# EAGLE board AU_MacroPad - 8 Panel (EAGLE 9.6.2), part 1 of 5 (continued)
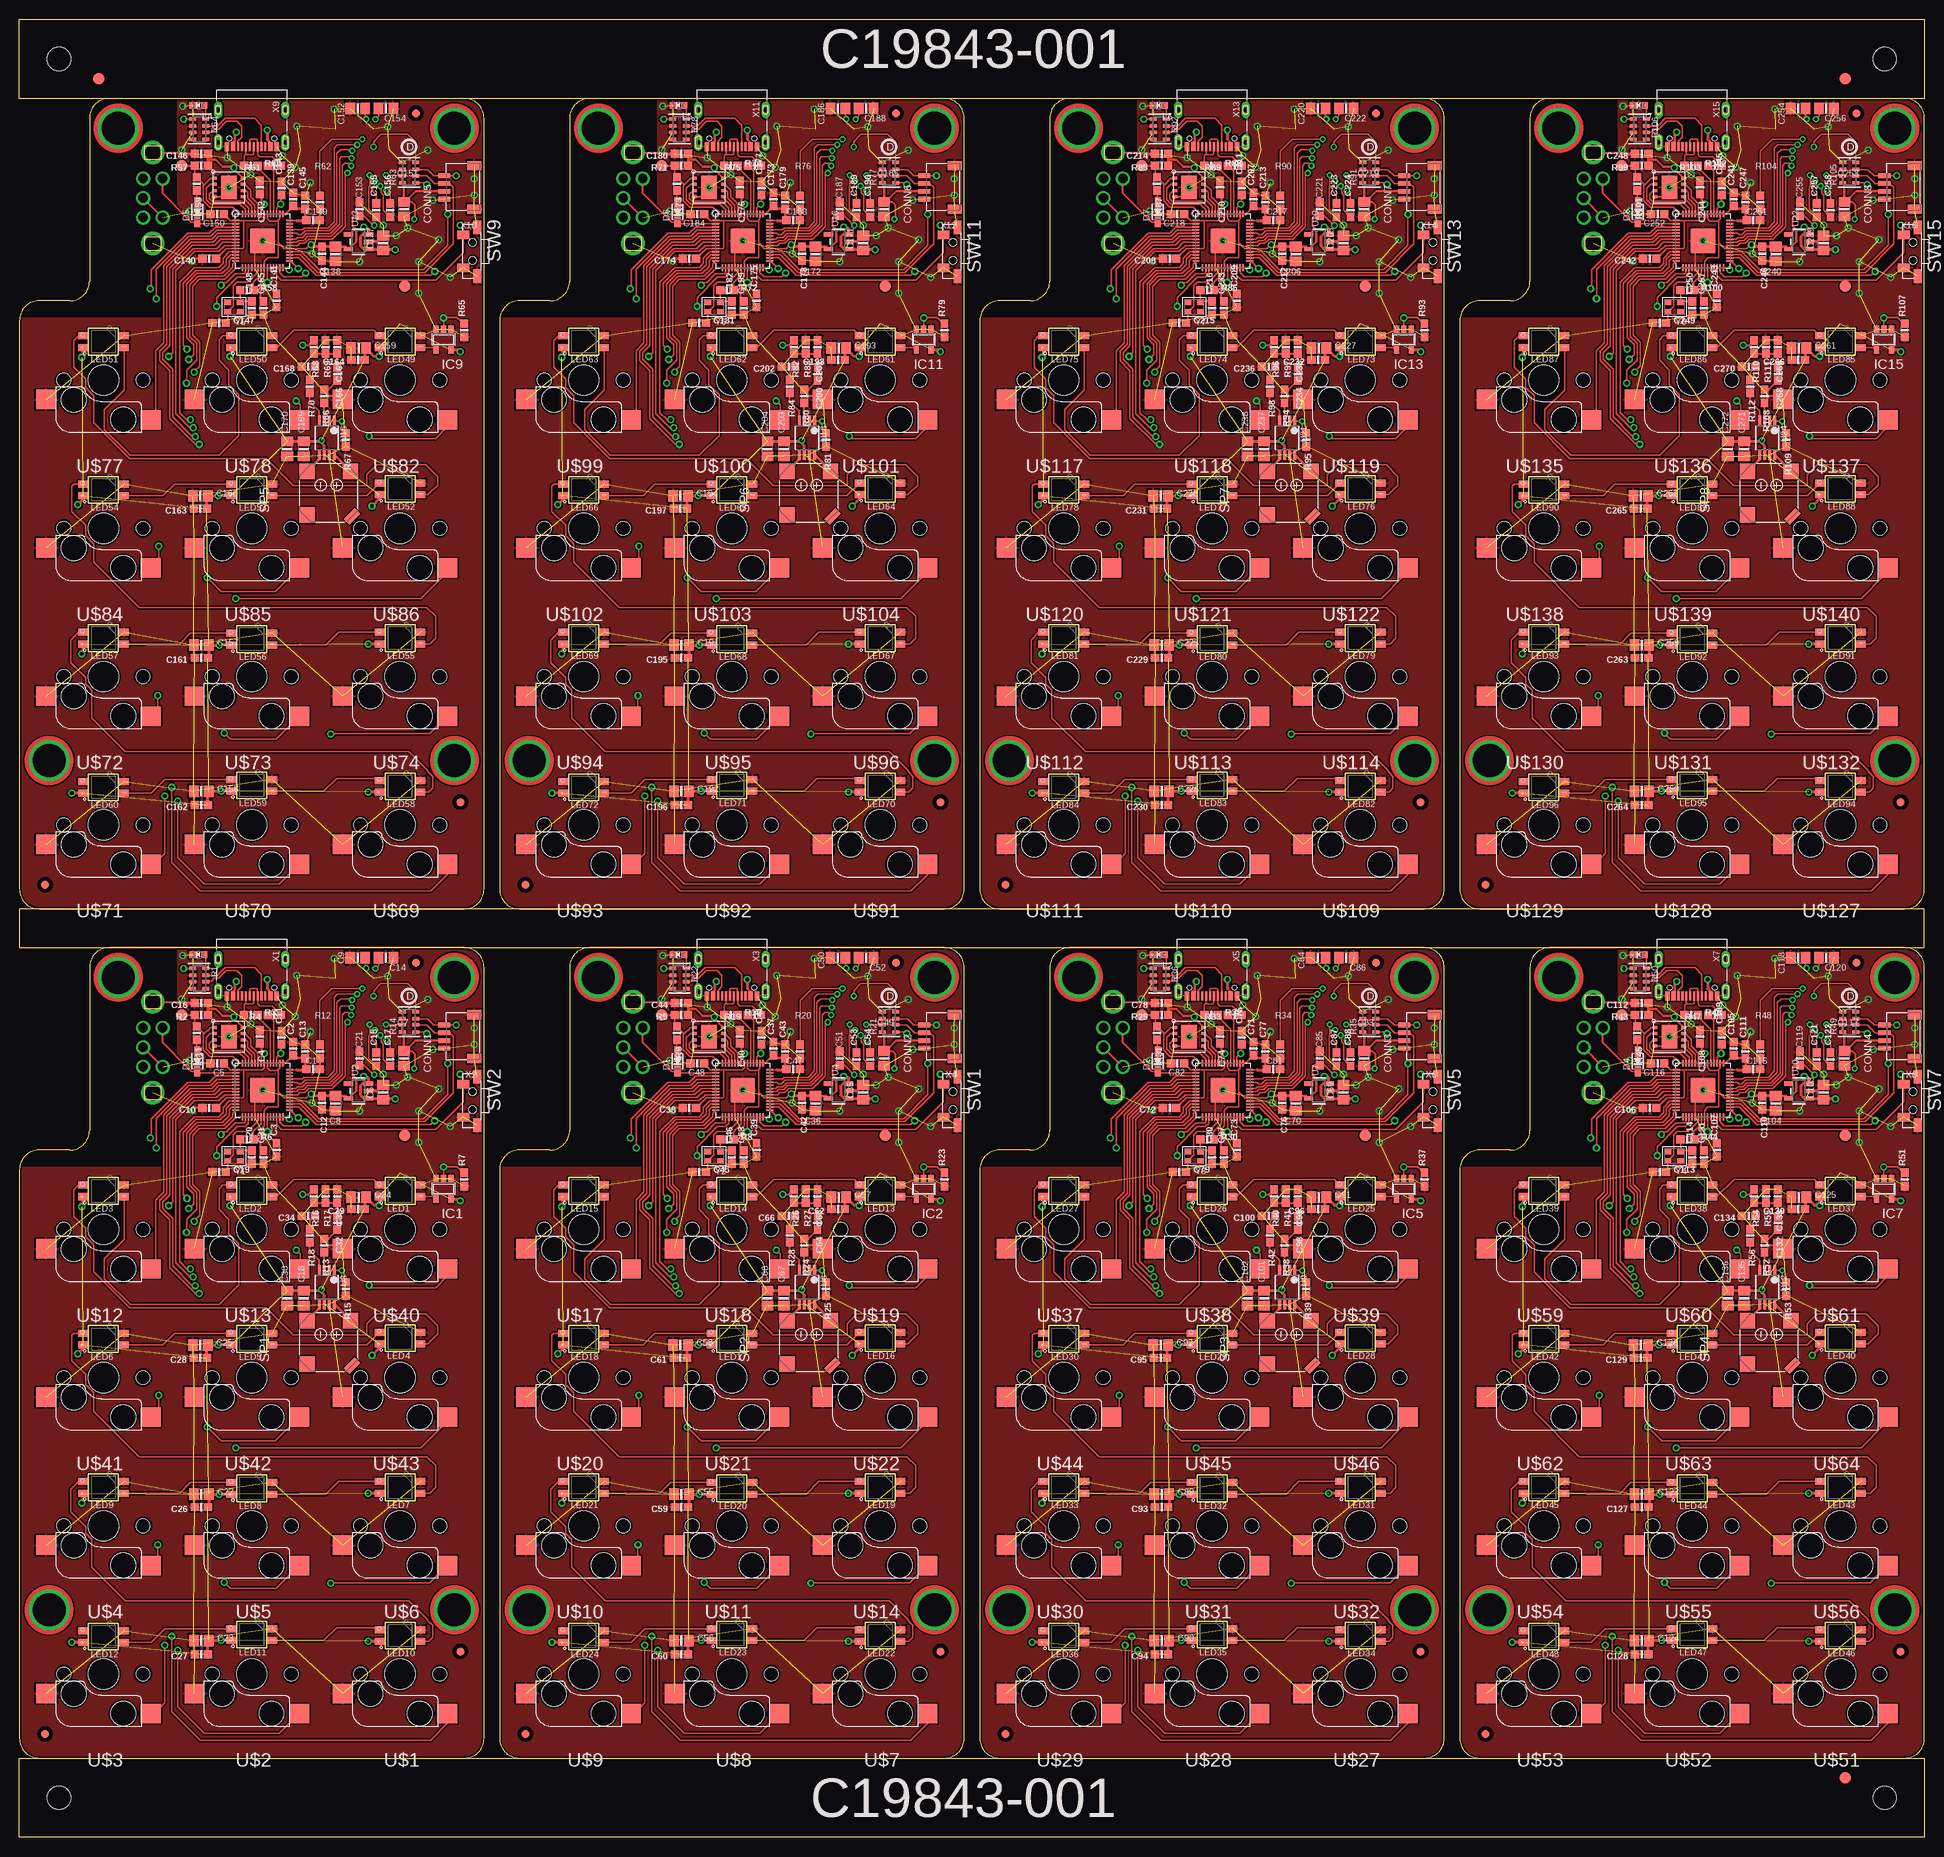
[diagram p0: board, top side]
## Placement (x,y rotation side) (continued)
C270  0.1uF  [0603-NO]  222.19,188.98 180 top
C271  10uF  [0805-NO]  221.6,178.41 90 top
C272  10uF  [0805-NO]  219.48,178.41 90 top
CONN1  STEMMA_I2C_QT  [JST_SH4]  56.56,102.87 90 top
CONN2  STEMMA_I2C_QT  [JST_SH4]  118.25,102.87 90 top
CONN3  STEMMA_I2C_QT  [JST_SH4]  179.94,102.87 90 top
CONN4  STEMMA_I2C_QT  [JST_SH4]  241.63,102.87 90 top
CONN5  STEMMA_I2C_QT  [JST_SH4]  56.56,212.01 90 top
CONN6  STEMMA_I2C_QT  [JST_SH4]  118.25,212.01 90 top
CONN7  STEMMA_I2C_QT  [JST_SH4]  179.94,212.01 90 top
CONN8  STEMMA_I2C_QT  [JST_SH4]  241.63,212.01 90 top
D1  1N4148  [SOD-323]  84.55,99.69 90 top
D2  1N4148  [SOD-323]  146.24,99.69 90 top
D3  1N4148  [SOD-323]  22.86,99.69 90 top
D4  1N4148  [SOD-323]  207.93,99.69 90 top
D5  1N4148  [SOD-323]  22.86,208.84 90 top
D6  1N4148  [SOD-323]  84.55,208.84 90 top
D7  1N4148  [SOD-323]  146.24,208.84 90 top
D8  1N4148  [SOD-323]  207.93,208.84 90 top
FID1000  FIDUCIAL  [FIDUCIAL-1.5X3]  10.16,225.98 0 top
FID1001  FIDUCIAL  [FIDUCIAL-1.5X3]  10.16,225.98 0 bottom
FID1002  FIDUCIAL  [FIDUCIAL-1.5X3]  234.6,225.98 0 top
FID1003  FIDUCIAL  [FIDUCIAL-1.5X3]  234.6,225.98 0 bottom
FID1004  FIDUCIAL  [FIDUCIAL-1.5X3]  234.6,7.62 0 top
FID1005  FIDUCIAL  [FIDUCIAL-1.5X3]  234.6,7.62 0 bottom
IC1  74HCT1G125DBV  [SOT23-5]  54.48,83.31 180 top
IC2  74HCT1G125DBV  [SOT23-5]  116.17,83.31 180 top
IC3  RP2040_QFN56  [QFN56_7MM_REDUCEDEPAD]  31.24,96.01 0 top
IC4  RP2040_QFN56  [QFN56_7MM_REDUCEDEPAD]  92.93,96.01 0 top
IC5  74HCT1G125DBV  [SOT23-5]  177.86,83.31 180 top
IC6  RP2040_QFN56  [QFN56_7MM_REDUCEDEPAD]  154.62,96.01 0 top
IC7  74HCT1G125DBV  [SOT23-5]  239.55,83.31 180 top
IC8  RP2040_QFN56  [QFN56_7MM_REDUCEDEPAD]  216.31,96.01 0 top
IC9  74HCT1G125DBV  [SOT23-5]  54.48,192.45 180 top
IC10  RP2040_QFN56  [QFN56_7MM_REDUCEDEPAD]  31.24,205.15 0 top
IC11  74HCT1G125DBV  [SOT23-5]  116.17,192.45 180 top
IC12  RP2040_QFN56  [QFN56_7MM_REDUCEDEPAD]  92.93,205.15 0 top
IC13  74HCT1G125DBV  [SOT23-5]  177.86,192.45 180 top
IC14  RP2040_QFN56  [QFN56_7MM_REDUCEDEPAD]  154.62,205.15 0 top
IC15  74HCT1G125DBV  [SOT23-5]  239.55,192.45 180 top
IC16  RP2040_QFN56  [QFN56_7MM_REDUCEDEPAD]  216.31,205.15 0 top
L  RED  [CHIPLED_0603_NOOUTLINE]  22.99,113.41 90 top
L1  RED  [CHIPLED_0603_NOOUTLINE]  84.68,113.41 90 top
L2  RED  [CHIPLED_0603_NOOUTLINE]  146.37,113.41 90 top
L3  RED  [CHIPLED_0603_NOOUTLINE]  208.06,113.41 90 top
L4  RED  [CHIPLED_0603_NOOUTLINE]  22.99,222.55 90 top
L5  RED  [CHIPLED_0603_NOOUTLINE]  84.68,222.55 90 top
L6  RED  [CHIPLED_0603_NOOUTLINE]  146.37,222.55 90 top
L7  RED  [CHIPLED_0603_NOOUTLINE]  208.06,222.55 90 top
LED1  WS2812B_SK6812E  [NEO3535_REVERSE]  48.9,83.06 0 bottom
LED2  WS2812B_SK6812E  [NEO3535_REVERSE]  29.84,83.06 0 bottom
LED3  WS2812B_SK6812E  [NEO3535_REVERSE]  10.79,83.06 0 bottom
LED4  WS2812B_SK6812E  [NEO3535_REVERSE]  48.9,64.14 0 bottom
LED5  WS2812B_SK6812E  [NEO3535_REVERSE]  29.84,64.01 0 bottom
LED6  WS2812B_SK6812E  [NEO3535_REVERSE]  10.79,64.01 0 bottom
LED7  WS2812B_SK6812E  [NEO3535_REVERSE]  48.9,44.96 0 bottom
LED8  WS2812B_SK6812E  [NEO3535_REVERSE]  29.84,44.83 0 bottom
LED9  WS2812B_SK6812E  [NEO3535_REVERSE]  10.79,44.96 0 bottom
LED10  WS2812B_SK6812E  [NEO3535_REVERSE]  48.9,25.91 0 bottom
LED11  WS2812B_SK6812E  [NEO3535_REVERSE]  29.84,26.04 0 bottom
LED12  WS2812B_SK6812E  [NEO3535_REVERSE]  10.79,25.78 0 bottom
LED13  WS2812B_SK6812E  [NEO3535_REVERSE]  110.58,83.06 0 bottom
LED14  WS2812B_SK6812E  [NEO3535_REVERSE]  91.53,83.06 0 bottom
LED15  WS2812B_SK6812E  [NEO3535_REVERSE]  72.48,83.06 0 bottom
LED16  WS2812B_SK6812E  [NEO3535_REVERSE]  110.58,64.14 0 bottom
LED17  WS2812B_SK6812E  [NEO3535_REVERSE]  91.53,64.01 0 bottom
LED18  WS2812B_SK6812E  [NEO3535_REVERSE]  72.48,64.01 0 bottom
LED19  WS2812B_SK6812E  [NEO3535_REVERSE]  110.58,44.96 0 bottom
LED20  WS2812B_SK6812E  [NEO3535_REVERSE]  91.53,44.83 0 bottom
LED21  WS2812B_SK6812E  [NEO3535_REVERSE]  72.48,44.96 0 bottom
LED22  WS2812B_SK6812E  [NEO3535_REVERSE]  110.58,25.91 0 bottom
LED23  WS2812B_SK6812E  [NEO3535_REVERSE]  91.53,26.04 0 bottom
LED24  WS2812B_SK6812E  [NEO3535_REVERSE]  72.48,25.78 0 bottom
LED25  WS2812B_SK6812E  [NEO3535_REVERSE]  172.28,83.06 0 bottom
LED26  WS2812B_SK6812E  [NEO3535_REVERSE]  153.23,83.06 0 bottom
LED27  WS2812B_SK6812E  [NEO3535_REVERSE]  134.18,83.06 0 bottom
LED28  WS2812B_SK6812E  [NEO3535_REVERSE]  172.28,64.14 0 bottom
LED29  WS2812B_SK6812E  [NEO3535_REVERSE]  153.23,64.01 0 bottom
LED30  WS2812B_SK6812E  [NEO3535_REVERSE]  134.18,64.01 0 bottom
LED31  WS2812B_SK6812E  [NEO3535_REVERSE]  172.28,44.96 0 bottom
LED32  WS2812B_SK6812E  [NEO3535_REVERSE]  153.23,44.83 0 bottom
LED33  WS2812B_SK6812E  [NEO3535_REVERSE]  134.18,44.96 0 bottom
LED34  WS2812B_SK6812E  [NEO3535_REVERSE]  172.28,25.91 0 bottom
LED35  WS2812B_SK6812E  [NEO3535_REVERSE]  153.23,26.04 0 bottom
LED36  WS2812B_SK6812E  [NEO3535_REVERSE]  134.18,25.78 0 bottom
LED37  WS2812B_SK6812E  [NEO3535_REVERSE]  233.96,83.06 0 bottom
LED38  WS2812B_SK6812E  [NEO3535_REVERSE]  214.91,83.06 0 bottom
LED39  WS2812B_SK6812E  [NEO3535_REVERSE]  195.86,83.06 0 bottom
LED40  WS2812B_SK6812E  [NEO3535_REVERSE]  233.96,64.14 0 bottom
LED41  WS2812B_SK6812E  [NEO3535_REVERSE]  214.91,64.01 0 bottom
LED42  WS2812B_SK6812E  [NEO3535_REVERSE]  195.86,64.01 0 bottom
LED43  WS2812B_SK6812E  [NEO3535_REVERSE]  233.96,44.96 0 bottom
LED44  WS2812B_SK6812E  [NEO3535_REVERSE]  214.91,44.83 0 bottom
LED45  WS2812B_SK6812E  [NEO3535_REVERSE]  195.86,44.96 0 bottom
LED46  WS2812B_SK6812E  [NEO3535_REVERSE]  233.96,25.91 0 bottom
LED47  WS2812B_SK6812E  [NEO3535_REVERSE]  214.91,26.04 0 bottom
LED48  WS2812B_SK6812E  [NEO3535_REVERSE]  195.86,25.78 0 bottom
LED49  WS2812B_SK6812E  [NEO3535_REVERSE]  48.9,192.2 0 bottom
LED50  WS2812B_SK6812E  [NEO3535_REVERSE]  29.84,192.2 0 bottom
LED51  WS2812B_SK6812E  [NEO3535_REVERSE]  10.79,192.2 0 bottom
LED52  WS2812B_SK6812E  [NEO3535_REVERSE]  48.9,173.28 0 bottom
LED53  WS2812B_SK6812E  [NEO3535_REVERSE]  29.84,173.15 0 bottom
LED54  WS2812B_SK6812E  [NEO3535_REVERSE]  10.79,173.15 0 bottom
LED55  WS2812B_SK6812E  [NEO3535_REVERSE]  48.9,154.1 0 bottom
LED56  WS2812B_SK6812E  [NEO3535_REVERSE]  29.84,153.97 0 bottom
LED57  WS2812B_SK6812E  [NEO3535_REVERSE]  10.79,154.1 0 bottom
LED58  WS2812B_SK6812E  [NEO3535_REVERSE]  48.9,135.05 0 bottom
LED59  WS2812B_SK6812E  [NEO3535_REVERSE]  29.84,135.18 0 bottom
LED60  WS2812B_SK6812E  [NEO3535_REVERSE]  10.79,134.92 0 bottom
LED61  WS2812B_SK6812E  [NEO3535_REVERSE]  110.58,192.2 0 bottom
LED62  WS2812B_SK6812E  [NEO3535_REVERSE]  91.53,192.2 0 bottom
LED63  WS2812B_SK6812E  [NEO3535_REVERSE]  72.48,192.2 0 bottom
LED64  WS2812B_SK6812E  [NEO3535_REVERSE]  110.58,173.28 0 bottom
LED65  WS2812B_SK6812E  [NEO3535_REVERSE]  91.53,173.15 0 bottom
LED66  WS2812B_SK6812E  [NEO3535_REVERSE]  72.48,173.15 0 bottom
LED67  WS2812B_SK6812E  [NEO3535_REVERSE]  110.58,154.1 0 bottom
LED68  WS2812B_SK6812E  [NEO3535_REVERSE]  91.53,153.97 0 bottom
LED69  WS2812B_SK6812E  [NEO3535_REVERSE]  72.48,154.1 0 bottom
LED70  WS2812B_SK6812E  [NEO3535_REVERSE]  110.58,135.05 0 bottom
LED71  WS2812B_SK6812E  [NEO3535_REVERSE]  91.53,135.18 0 bottom
LED72  WS2812B_SK6812E  [NEO3535_REVERSE]  72.48,134.92 0 bottom
LED73  WS2812B_SK6812E  [NEO3535_REVERSE]  172.28,192.2 0 bottom
LED74  WS2812B_SK6812E  [NEO3535_REVERSE]  153.23,192.2 0 bottom
LED75  WS2812B_SK6812E  [NEO3535_REVERSE]  134.18,192.2 0 bottom
LED76  WS2812B_SK6812E  [NEO3535_REVERSE]  172.28,173.28 0 bottom
LED77  WS2812B_SK6812E  [NEO3535_REVERSE]  153.23,173.15 0 bottom
LED78  WS2812B_SK6812E  [NEO3535_REVERSE]  134.18,173.15 0 bottom
LED79  WS2812B_SK6812E  [NEO3535_REVERSE]  172.28,154.1 0 bottom
LED80  WS2812B_SK6812E  [NEO3535_REVERSE]  153.23,153.97 0 bottom
LED81  WS2812B_SK6812E  [NEO3535_REVERSE]  134.18,154.1 0 bottom
LED82  WS2812B_SK6812E  [NEO3535_REVERSE]  172.28,135.05 0 bottom
LED83  WS2812B_SK6812E  [NEO3535_REVERSE]  153.23,135.18 0 bottom
LED84  WS2812B_SK6812E  [NEO3535_REVERSE]  134.18,134.92 0 bottom
LED85  WS2812B_SK6812E  [NEO3535_REVERSE]  233.96,192.2 0 bottom
LED86  WS2812B_SK6812E  [NEO3535_REVERSE]  214.91,192.2 0 bottom
LED87  WS2812B_SK6812E  [NEO3535_REVERSE]  195.86,192.2 0 bottom
LED88  WS2812B_SK6812E  [NEO3535_REVERSE]  233.96,173.28 0 bottom
LED89  WS2812B_SK6812E  [NEO3535_REVERSE]  214.91,173.15 0 bottom
LED90  WS2812B_SK6812E  [NEO3535_REVERSE]  195.86,173.15 0 bottom
LED91  WS2812B_SK6812E  [NEO3535_REVERSE]  233.96,154.1 0 bottom
LED92  WS2812B_SK6812E  [NEO3535_REVERSE]  214.91,153.97 0 bottom
LED93  WS2812B_SK6812E  [NEO3535_REVERSE]  195.86,154.1 0 bottom
LED94  WS2812B_SK6812E  [NEO3535_REVERSE]  233.96,135.05 0 bottom
LED95  WS2812B_SK6812E  [NEO3535_REVERSE]  214.91,135.18 0 bottom
LED96  WS2812B_SK6812E  [NEO3535_REVERSE]  195.86,134.92 0 bottom
R1  5.1K  [RESPACK_4X0603]  23.11,110.36 270 top
R2  10K  [0603-NO]  23.37,105.66 180 top
R3  22  [0603-NO]  29.72,105.66 0 top
R4  22  [0603-NO]  32.77,105.66 180 top
R5  10K  [0603-NO]  85.06,105.66 180 top
R6  1K  [0603-NO]  29.21,89.66 0 top
R7  10K  [0603-NO]  57.15,84.52 90 top
R8  1K  [0603-NO]  90.9,89.66 0 top
R9  1K  [0603-NO]  84.47,103.34 270 top
R10  22  [0603-NO]  91.41,105.66 0 top
R11  1K  [0603-NO]  22.78,103.34 270 top
R12  680K  [0603-NO]  38.61,100.97 90 top
R13  47K  [0603-NO]  39.15,76.03 270 top
R14  5.1K  [RESPACK_4X0603]  50.04,104.77 90 top
R15  10K  [0603-NO]  41.94,70.45 270 top
R16  1K  [0603-NO]  37.8,82.37 270 top
R17  DNP  [0603-NO]  39.32,82.37 270 top
R18  47K  [0603-NO]  37.29,77.3 270 top
R19  22  [0603-NO]  94.45,105.66 180 top
R20  680K  [0603-NO]  100.3,100.97 90 top
R21  5.1K  [RESPACK_4X0603]  111.73,104.77 90 top
R22  5.1K  [RESPACK_4X0603]  84.8,110.36 270 top
R23  10K  [0603-NO]  118.84,84.52 90 top
R24  47K  [0603-NO]  100.84,76.03 270 top
R25  10K  [0603-NO]  103.63,70.45 270 top
R26  1K  [0603-NO]  99.49,82.37 270 top
R27  DNP  [0603-NO]  101.01,82.37 270 top
R28  47K  [0603-NO]  98.98,77.3 270 top
R29  10K  [0603-NO]  146.75,105.66 180 top
R30  1K  [0603-NO]  152.59,89.66 0 top
R31  1K  [0603-NO]  146.16,103.34 270 top
R32  22  [0603-NO]  153.1,105.66 0 top
R33  22  [0603-NO]  156.15,105.66 180 top
R34  680K  [0603-NO]  161.99,100.97 90 top
R35  5.1K  [RESPACK_4X0603]  173.42,104.77 90 top
R36  5.1K  [RESPACK_4X0603]  146.49,110.36 270 top
R37  10K  [0603-NO]  180.53,84.52 90 top
R38  47K  [0603-NO]  162.53,76.03 270 top
R39  10K  [0603-NO]  165.32,70.45 270 top
R40  1K  [0603-NO]  161.18,82.37 270 top
R41  DNP  [0603-NO]  162.7,82.37 270 top
R42  47K  [0603-NO]  160.67,77.3 270 top
R43  10K  [0603-NO]  208.44,105.66 180 top
R44  1K  [0603-NO]  214.28,89.66 0 top
R45  1K  [0603-NO]  207.85,103.34 270 top
R46  22  [0603-NO]  214.79,105.66 0 top
R47  22  [0603-NO]  217.84,105.66 180 top
R48  680K  [0603-NO]  223.68,100.97 90 top
R49  5.1K  [RESPACK_4X0603]  235.11,104.77 90 top
R50  5.1K  [RESPACK_4X0603]  208.18,110.36 270 top
R51  10K  [0603-NO]  242.22,84.52 90 top
R52  47K  [0603-NO]  224.22,76.03 270 top
R53  10K  [0603-NO]  227.01,70.45 270 top
R54  1K  [0603-NO]  222.87,82.37 270 top
R55  DNP  [0603-NO]  224.39,82.37 270 top
R56  47K  [0603-NO]  222.36,77.3 270 top
R57  10K  [0603-NO]  23.37,214.81 180 top
R58  1K  [0603-NO]  29.21,198.8 0 top
R59  1K  [0603-NO]  22.78,212.48 270 top
R60  22  [0603-NO]  29.72,214.81 0 top
R61  22  [0603-NO]  32.77,214.81 180 top
R62  680K  [0603-NO]  38.61,210.11 90 top
R63  5.1K  [RESPACK_4X0603]  50.04,213.92 90 top
R64  5.1K  [RESPACK_4X0603]  23.11,219.5 270 top
R65  10K  [0603-NO]  57.15,193.66 90 top
R66  47K  [0603-NO]  39.15,185.17 270 top
R67  10K  [0603-NO]  41.94,179.59 270 top
R68  1K  [0603-NO]  37.8,191.51 270 top
R69  DNP  [0603-NO]  39.32,191.51 270 top
R70  47K  [0603-NO]  37.29,186.44 270 top
R71  10K  [0603-NO]  85.06,214.81 180 top
R72  1K  [0603-NO]  90.9,198.8 0 top
R73  1K  [0603-NO]  84.47,212.48 270 top
R74  22  [0603-NO]  91.41,214.81 0 top
R75  22  [0603-NO]  94.45,214.81 180 top
R76  680K  [0603-NO]  100.3,210.11 90 top
R77  5.1K  [RESPACK_4X0603]  111.73,213.92 90 top
R78  5.1K  [RESPACK_4X0603]  84.8,219.5 270 top
R79  10K  [0603-NO]  118.84,193.66 90 top
R80  47K  [0603-NO]  100.84,185.17 270 top
R81  10K  [0603-NO]  103.63,179.59 270 top
R82  1K  [0603-NO]  99.49,191.51 270 top
R83  DNP  [0603-NO]  101.01,191.51 270 top
R84  47K  [0603-NO]  98.98,186.44 270 top
R85  10K  [0603-NO]  146.75,214.81 180 top
R86  1K  [0603-NO]  152.59,198.8 0 top
R87  1K  [0603-NO]  146.16,212.48 270 top
R88  22  [0603-NO]  153.1,214.81 0 top
R89  22  [0603-NO]  156.15,214.81 180 top
R90  680K  [0603-NO]  161.99,210.11 90 top
R91  5.1K  [RESPACK_4X0603]  173.42,213.92 90 top
R92  5.1K  [RESPACK_4X0603]  146.49,219.5 270 top
R93  10K  [0603-NO]  180.53,193.66 90 top
R94  47K  [0603-NO]  162.53,185.17 270 top
R95  10K  [0603-NO]  165.32,179.59 270 top
R96  1K  [0603-NO]  161.18,191.51 270 top
R97  DNP  [0603-NO]  162.7,191.51 270 top
R98  47K  [0603-NO]  160.67,186.44 270 top
R99  10K  [0603-NO]  208.44,214.81 180 top
R100  1K  [0603-NO]  214.28,198.8 0 top
R101  1K  [0603-NO]  207.85,212.48 270 top
R102  22  [0603-NO]  214.79,214.81 0 top
R103  22  [0603-NO]  217.84,214.81 180 top
R104  680K  [0603-NO]  223.68,210.11 90 top
R105  5.1K  [RESPACK_4X0603]  235.11,213.92 90 top
R106  5.1K  [RESPACK_4X0603]  208.18,219.5 270 top
R107  10K  [0603-NO]  242.22,193.66 90 top
R108  47K  [0603-NO]  224.22,185.17 270 top
R109  10K  [0603-NO]  227.01,179.59 270 top
R110  1K  [0603-NO]  222.87,191.51 270 top
R111  DNP  [0603-NO]  224.39,191.51 270 top
R112  47K  [0603-NO]  222.36,186.44 270 top
SP1  7.5mm SPK  [BUZZER_SMT_7.5MM]  39.74,63.6 90 top
SP2  7.5mm SPK  [BUZZER_SMT_7.5MM]  101.43,63.6 90 top
SP3  7.5mm SPK  [BUZZER_SMT_7.5MM]  163.12,63.6 90 top
SP4  7.5mm SPK  [BUZZER_SMT_7.5MM]  224.81,63.6 90 top
SP5  7.5mm SPK  [BUZZER_SMT_7.5MM]  39.74,172.74 90 top
SP6  7.5mm SPK  [BUZZER_SMT_7.5MM]  101.43,172.74 90 top
SP7  7.5mm SPK  [BUZZER_SMT_7.5MM]  163.12,172.74 90 top
SP8  7.5mm SPK  [BUZZER_SMT_7.5MM]  224.81,172.74 90 top
SW1  RA SW  [SPST_TACTILE_RA]  119.62,94.65 270 top
SW2  RA SW  [SPST_TACTILE_RA]  57.93,94.65 270 top
SW3  EN11-VSM1AF15  [EN11-VSM1AF15]  17.13,101.5 0 bottom
SW4  EN11-VSM1AF15  [EN11-VSM1AF15]  78.82,101.5 0 bottom
SW5  RA SW  [SPST_TACTILE_RA]  181.31,94.65 270 top
SW6  EN11-VSM1AF15  [EN11-VSM1AF15]  140.51,101.5 0 bottom
SW7  RA SW  [SPST_TACTILE_RA]  243,94.65 270 top
SW8  EN11-VSM1AF15  [EN11-VSM1AF15]  202.2,101.5 0 bottom
SW9  RA SW  [SPST_TACTILE_RA]  57.93,203.79 270 top
SW10  EN11-VSM1AF15  [EN11-VSM1AF15]  17.13,210.65 0 bottom
SW11  RA SW  [SPST_TACTILE_RA]  119.62,203.79 270 top
SW12  EN11-VSM1AF15  [EN11-VSM1AF15]  78.82,210.65 0 bottom
SW13  RA SW  [SPST_TACTILE_RA]  181.31,203.79 270 top
SW14  EN11-VSM1AF15  [EN11-VSM1AF15]  140.51,210.65 0 bottom
SW15  RA SW  [SPST_TACTILE_RA]  243,203.79 270 top
SW16  EN11-VSM1AF15  [EN11-VSM1AF15]  202.2,210.65 0 bottom
TP1  SEWTAP_SMTNUTM3  [SMT_NUT_3MM]  3.81,29.21 0 top
TP2  SEWTAP_SMTNUTM3  [SMT_NUT_3MM]  55.88,29.21 0 top
TP3  SEWTAP_SMTNUTM3  [SMT_NUT_3MM]  12.7,110.49 0 top
TP4  SEWTAP_SMTNUTM3  [SMT_NUT_3MM]  55.88,110.49 0 top
TP5  [TESTPOINT_ROUND_1.5MM_NO]  49.53,90.17 0 top
TP6  [TESTPOINT_ROUND_1.5MM_NO]  20.83,105.66 0 top
TP7  SEWTAP_SMTNUTM3  [SMT_NUT_3MM]  65.5,29.21 0 top
TP8  SEWTAP_SMTNUTM3  [SMT_NUT_3MM]  117.57,29.21 0 top
TP9  SEWTAP_SMTNUTM3  [SMT_NUT_3MM]  117.57,110.49 0 top
TP10  [TESTPOINT_ROUND_1.5MM_NO]  111.22,90.17 0 top
TP11  [TESTPOINT_ROUND_1.5MM_NO]  82.52,105.66 0 top
TP12  SEWTAP_SMTNUTM3  [SMT_NUT_3MM]  74.39,110.49 0 top
TP13  SEWTAP_SMTNUTM3  [SMT_NUT_3MM]  127.19,29.21 0 top
TP14  SEWTAP_SMTNUTM3  [SMT_NUT_3MM]  179.26,29.21 0 top
TP15  SEWTAP_SMTNUTM3  [SMT_NUT_3MM]  179.26,110.49 0 top
TP16  [TESTPOINT_ROUND_1.5MM_NO]  172.91,90.17 0 top
TP17  [TESTPOINT_ROUND_1.5MM_NO]  144.21,105.66 0 top
TP18  SEWTAP_SMTNUTM3  [SMT_NUT_3MM]  136.08,110.49 0 top
TP19  SEWTAP_SMTNUTM3  [SMT_NUT_3MM]  188.88,29.21 0 top
TP20  SEWTAP_SMTNUTM3  [SMT_NUT_3MM]  240.95,29.21 0 top
TP21  SEWTAP_SMTNUTM3  [SMT_NUT_3MM]  240.95,110.49 0 top
TP22  [TESTPOINT_ROUND_1.5MM_NO]  234.6,90.17 0 top
TP23  [TESTPOINT_ROUND_1.5MM_NO]  205.9,105.66 0 top
TP24  SEWTAP_SMTNUTM3  [SMT_NUT_3MM]  197.77,110.49 0 top
TP25  SEWTAP_SMTNUTM3  [SMT_NUT_3MM]  3.81,138.35 0 top
TP26  SEWTAP_SMTNUTM3  [SMT_NUT_3MM]  55.88,138.35 0 top
TP27  SEWTAP_SMTNUTM3  [SMT_NUT_3MM]  55.88,219.63 0 top
TP28  [TESTPOINT_ROUND_1.5MM_NO]  49.53,199.31 0 top
TP29  [TESTPOINT_ROUND_1.5MM_NO]  20.83,214.81 0 top
TP30  SEWTAP_SMTNUTM3  [SMT_NUT_3MM]  12.7,219.63 0 top
TP31  SEWTAP_SMTNUTM3  [SMT_NUT_3MM]  65.5,138.35 0 top
TP32  SEWTAP_SMTNUTM3  [SMT_NUT_3MM]  117.57,138.35 0 top
TP33  SEWTAP_SMTNUTM3  [SMT_NUT_3MM]  117.57,219.63 0 top
TP34  [TESTPOINT_ROUND_1.5MM_NO]  111.22,199.31 0 top
TP35  [TESTPOINT_ROUND_1.5MM_NO]  82.52,214.81 0 top
TP36  SEWTAP_SMTNUTM3  [SMT_NUT_3MM]  74.39,219.63 0 top
TP37  SEWTAP_SMTNUTM3  [SMT_NUT_3MM]  127.19,138.35 0 top
TP38  SEWTAP_SMTNUTM3  [SMT_NUT_3MM]  179.26,138.35 0 top
TP39  SEWTAP_SMTNUTM3  [SMT_NUT_3MM]  179.26,219.63 0 top
TP40  [TESTPOINT_ROUND_1.5MM_NO]  172.91,199.31 0 top
TP41  [TESTPOINT_ROUND_1.5MM_NO]  144.21,214.81 0 top
TP42  SEWTAP_SMTNUTM3  [SMT_NUT_3MM]  136.08,219.63 0 top
TP43  SEWTAP_SMTNUTM3  [SMT_NUT_3MM]  188.88,138.35 0 top
TP44  SEWTAP_SMTNUTM3  [SMT_NUT_3MM]  240.95,138.35 0 top
TP45  SEWTAP_SMTNUTM3  [SMT_NUT_3MM]  240.95,219.63 0 top
TP46  [TESTPOINT_ROUND_1.5MM_NO]  234.6,199.31 0 top
TP47  [TESTPOINT_ROUND_1.5MM_NO]  205.9,214.81 0 top
TP48  SEWTAP_SMTNUTM3  [SMT_NUT_3MM]  197.77,219.63 0 top
U1  W25Q64  [USON8_4X4]  26.91,102.87 0 top
U2  RT9080-3.3  [SOT23-5']  43.56,95.88 90 top
U3  PAM8302  [MSOP8_0.65MM]  39.49,70.7 180 top
U4  RT9080-3.3  [SOT23-5']  105.25,95.88 90 top
U5  W25Q64  [USON8_4X4]  88.6,102.87 0 top
U6  PAM8302  [MSOP8_0.65MM]  101.18,70.7 180 top
U7  RT9080-3.3  [SOT23-5']  166.94,95.88 90 top
U8  W25Q64  [USON8_4X4]  150.29,102.87 0 top
U9  PAM8302  [MSOP8_0.65MM]  162.87,70.7 180 top
U10  RT9080-3.3  [SOT23-5']  228.63,95.88 90 top
U11  W25Q64  [USON8_4X4]  211.98,102.87 0 top
U12  PAM8302  [MSOP8_0.65MM]  224.56,70.7 180 top
U13  RT9080-3.3  [SOT23-5']  43.56,205.03 90 top
U14  W25Q64  [USON8_4X4]  26.91,212.01 0 top
U15  PAM8302  [MSOP8_0.65MM]  39.49,179.84 180 top
U16  RT9080-3.3  [SOT23-5']  105.25,205.03 90 top
U17  W25Q64  [USON8_4X4]  88.6,212.01 0 top
U18  PAM8302  [MSOP8_0.65MM]  101.18,179.84 180 top
U19  RT9080-3.3  [SOT23-5']  166.94,205.03 90 top
U20  W25Q64  [USON8_4X4]  150.29,212.01 0 top
U21  PAM8302  [MSOP8_0.65MM]  162.87,179.84 180 top
U22  RT9080-3.3  [SOT23-5']  228.63,205.03 90 top
U23  W25Q64  [USON8_4X4]  211.98,212.01 0 top
U24  PAM8302  [MSOP8_0.65MM]  224.56,179.84 180 top
U$1  SOCKET  [KAILH_SOCKET]  48.9,20.95 180 bottom
U$2  SOCKET  [KAILH_SOCKET]  29.84,20.95 180 bottom
U$3  SOCKET  [KAILH_SOCKET]  10.79,20.95 180 bottom
U$4  SOCKET  [KAILH_SOCKET]  10.79,40 180 bottom
U$5  SOCKET  [KAILH_SOCKET]  29.84,40 180 bottom
U$6  SOCKET  [KAILH_SOCKET]  48.9,40 180 bottom
U$7  SOCKET  [KAILH_SOCKET]  110.58,20.95 180 bottom
U$8  SOCKET  [KAILH_SOCKET]  91.53,20.95 180 bottom
U$9  SOCKET  [KAILH_SOCKET]  72.48,20.95 180 bottom
U$10  SOCKET  [KAILH_SOCKET]  72.48,40 180 bottom
U$11  SOCKET  [KAILH_SOCKET]  91.53,40 180 bottom
U$12  SOCKET  [KAILH_SOCKET]  10.79,78.1 180 bottom
U$13  SOCKET  [KAILH_SOCKET]  29.84,78.1 180 bottom
U$14  SOCKET  [KAILH_SOCKET]  110.58,40 180 bottom
U$15  FIDUCIAL_1MM  [FIDUCIAL_1MM]  112.62,112.39 0 top
U$16  FIDUCIAL_1MM  [FIDUCIAL_1MM]  65,13.26 0 top
U$17  SOCKET  [KAILH_SOCKET]  72.48,78.1 180 bottom
U$18  SOCKET  [KAILH_SOCKET]  91.53,78.1 180 bottom
U$19  SOCKET  [KAILH_SOCKET]  110.58,78.1 180 bottom
U$20  SOCKET  [KAILH_SOCKET]  72.48,59.06 180 bottom
U$21  SOCKET  [KAILH_SOCKET]  91.53,59.06 180 bottom
U$22  SOCKET  [KAILH_SOCKET]  110.58,59.06 180 bottom
U$23  FIDUCIAL_1MM  [FIDUCIAL_1MM]  118.33,23.88 0 top
U$24  [PCBFEAT-REV-040]  111.73,108.08 0 top
U$25  FIDUCIAL_1MM  [FIDUCIAL_1MM]  112.42,111.97 0 bottom
U$26  FIDUCIAL_1MM  [FIDUCIAL_1MM]  89.85,98.69 0 bottom
U$27  SOCKET  [KAILH_SOCKET]  172.28,20.95 180 bottom
U$28  SOCKET  [KAILH_SOCKET]  153.23,20.95 180 bottom
U$29  SOCKET  [KAILH_SOCKET]  134.18,20.95 180 bottom
U$30  SOCKET  [KAILH_SOCKET]  134.18,40 180 bottom
U$31  SOCKET  [KAILH_SOCKET]  153.23,40 180 bottom
U$32  SOCKET  [KAILH_SOCKET]  172.28,40 180 bottom
U$33  FIDUCIAL_1MM  [FIDUCIAL_1MM]  174.31,112.39 0 top
U$34  FIDUCIAL_1MM  [FIDUCIAL_1MM]  50.93,112.39 0 top
U$35  FIDUCIAL_1MM  [FIDUCIAL_1MM]  3.31,13.26 0 top
U$36  FIDUCIAL_1MM  [FIDUCIAL_1MM]  126.69,13.26 0 top
U$37  SOCKET  [KAILH_SOCKET]  134.18,78.1 180 bottom
U$38  SOCKET  [KAILH_SOCKET]  153.23,78.1 180 bottom
U$39  SOCKET  [KAILH_SOCKET]  172.28,78.1 180 bottom
U$40  SOCKET  [KAILH_SOCKET]  48.9,78.1 180 bottom
U$41  SOCKET  [KAILH_SOCKET]  10.79,59.06 180 bottom
U$42  SOCKET  [KAILH_SOCKET]  29.84,59.06 180 bottom
U$43  SOCKET  [KAILH_SOCKET]  48.9,59.06 180 bottom
U$44  SOCKET  [KAILH_SOCKET]  134.18,59.06 180 bottom
U$45  SOCKET  [KAILH_SOCKET]  153.23,59.06 180 bottom
U$46  SOCKET  [KAILH_SOCKET]  172.28,59.06 180 bottom
U$47  FIDUCIAL_1MM  [FIDUCIAL_1MM]  180.02,23.88 0 top
U$48  [PCBFEAT-REV-040]  173.42,108.08 0 top
U$49  FIDUCIAL_1MM  [FIDUCIAL_1MM]  174.11,111.97 0 bottom
U$50  FIDUCIAL_1MM  [FIDUCIAL_1MM]  151.54,98.69 0 bottom
U$51  SOCKET  [KAILH_SOCKET]  233.96,20.95 180 bottom
U$52  SOCKET  [KAILH_SOCKET]  214.91,20.95 180 bottom
U$53  SOCKET  [KAILH_SOCKET]  195.86,20.95 180 bottom
U$54  SOCKET  [KAILH_SOCKET]  195.86,40 180 bottom
U$55  SOCKET  [KAILH_SOCKET]  214.91,40 180 bottom
U$56  SOCKET  [KAILH_SOCKET]  233.96,40 180 bottom
U$57  FIDUCIAL_1MM  [FIDUCIAL_1MM]  236,112.39 0 top
U$58  FIDUCIAL_1MM  [FIDUCIAL_1MM]  188.38,13.26 0 top
U$59  SOCKET  [KAILH_SOCKET]  195.86,78.1 180 bottom
U$60  SOCKET  [KAILH_SOCKET]  214.91,78.1 180 bottom
U$61  SOCKET  [KAILH_SOCKET]  233.96,78.1 180 bottom
U$62  SOCKET  [KAILH_SOCKET]  195.86,59.06 180 bottom
U$63  SOCKET  [KAILH_SOCKET]  214.91,59.06 180 bottom
U$64  SOCKET  [KAILH_SOCKET]  233.96,59.06 180 bottom
U$65  FIDUCIAL_1MM  [FIDUCIAL_1MM]  241.71,23.88 0 top
U$66  [PCBFEAT-REV-040]  235.11,108.08 0 top
U$67  FIDUCIAL_1MM  [FIDUCIAL_1MM]  235.8,111.97 0 bottom
U$68  FIDUCIAL_1MM  [FIDUCIAL_1MM]  213.23,98.69 0 bottom
U$69  SOCKET  [KAILH_SOCKET]  48.9,130.1 180 bottom
U$70  SOCKET  [KAILH_SOCKET]  29.84,130.1 180 bottom
U$71  SOCKET  [KAILH_SOCKET]  10.79,130.1 180 bottom
U$72  SOCKET  [KAILH_SOCKET]  10.79,149.15 180 bottom
U$73  SOCKET  [KAILH_SOCKET]  29.84,149.15 180 bottom
U$74  SOCKET  [KAILH_SOCKET]  48.9,149.15 180 bottom
U$75  FIDUCIAL_1MM  [FIDUCIAL_1MM]  50.93,221.54 0 top
U$76  FIDUCIAL_1MM  [FIDUCIAL_1MM]  3.31,122.4 0 top
U$77  SOCKET  [KAILH_SOCKET]  10.79,187.25 180 bottom
U$78  SOCKET  [KAILH_SOCKET]  29.84,187.25 180 bottom
U$79  FIDUCIAL_1MM  [FIDUCIAL_1MM]  50.73,111.97 0 bottom
U$80  FIDUCIAL_1MM  [FIDUCIAL_1MM]  56.64,23.88 0 top
U$81  [PCBFEAT-REV-040]  50.04,108.08 0 top
U$82  SOCKET  [KAILH_SOCKET]  48.9,187.25 180 bottom
U$83  FIDUCIAL_1MM  [FIDUCIAL_1MM]  28.16,98.69 0 bottom
U$84  SOCKET  [KAILH_SOCKET]  10.79,168.2 180 bottom
U$85  SOCKET  [KAILH_SOCKET]  29.84,168.2 180 bottom
U$86  SOCKET  [KAILH_SOCKET]  48.9,168.2 180 bottom
U$87  FIDUCIAL_1MM  [FIDUCIAL_1MM]  56.64,133.02 0 top
U$88  [PCBFEAT-REV-040]  50.04,217.22 0 top
U$89  FIDUCIAL_1MM  [FIDUCIAL_1MM]  50.73,221.11 0 bottom
U$90  FIDUCIAL_1MM  [FIDUCIAL_1MM]  28.16,207.83 0 bottom
U$91  SOCKET  [KAILH_SOCKET]  110.58,130.1 180 bottom
U$92  SOCKET  [KAILH_SOCKET]  91.53,130.1 180 bottom
U$93  SOCKET  [KAILH_SOCKET]  72.48,130.1 180 bottom
U$94  SOCKET  [KAILH_SOCKET]  72.48,149.15 180 bottom
U$95  SOCKET  [KAILH_SOCKET]  91.53,149.15 180 bottom
U$96  SOCKET  [KAILH_SOCKET]  110.58,149.15 180 bottom
U$97  FIDUCIAL_1MM  [FIDUCIAL_1MM]  112.62,221.54 0 top
U$98  FIDUCIAL_1MM  [FIDUCIAL_1MM]  65,122.4 0 top
U$99  SOCKET  [KAILH_SOCKET]  72.48,187.25 180 bottom
U$100  SOCKET  [KAILH_SOCKET]  91.53,187.25 180 bottom
U$101  SOCKET  [KAILH_SOCKET]  110.58,187.25 180 bottom
U$102  SOCKET  [KAILH_SOCKET]  72.48,168.2 180 bottom
U$103  SOCKET  [KAILH_SOCKET]  91.53,168.2 180 bottom
U$104  SOCKET  [KAILH_SOCKET]  110.58,168.2 180 bottom
U$105  FIDUCIAL_1MM  [FIDUCIAL_1MM]  118.33,133.02 0 top
U$106  [PCBFEAT-REV-040]  111.73,217.22 0 top
U$107  FIDUCIAL_1MM  [FIDUCIAL_1MM]  112.42,221.11 0 bottom
U$108  FIDUCIAL_1MM  [FIDUCIAL_1MM]  89.85,207.83 0 bottom
U$109  SOCKET  [KAILH_SOCKET]  172.28,130.1 180 bottom
U$110  SOCKET  [KAILH_SOCKET]  153.23,130.1 180 bottom
U$111  SOCKET  [KAILH_SOCKET]  134.18,130.1 180 bottom
U$112  SOCKET  [KAILH_SOCKET]  134.18,149.15 180 bottom
U$113  SOCKET  [KAILH_SOCKET]  153.23,149.15 180 bottom
U$114  SOCKET  [KAILH_SOCKET]  172.28,149.15 180 bottom
U$115  FIDUCIAL_1MM  [FIDUCIAL_1MM]  174.31,221.54 0 top
U$116  FIDUCIAL_1MM  [FIDUCIAL_1MM]  126.69,122.4 0 top
U$117  SOCKET  [KAILH_SOCKET]  134.18,187.25 180 bottom
U$118  SOCKET  [KAILH_SOCKET]  153.23,187.25 180 bottom
U$119  SOCKET  [KAILH_SOCKET]  172.28,187.25 180 bottom
U$120  SOCKET  [KAILH_SOCKET]  134.18,168.2 180 bottom
U$121  SOCKET  [KAILH_SOCKET]  153.23,168.2 180 bottom
U$122  SOCKET  [KAILH_SOCKET]  172.28,168.2 180 bottom
U$123  FIDUCIAL_1MM  [FIDUCIAL_1MM]  180.02,133.02 0 top
U$124  [PCBFEAT-REV-040]  173.42,217.22 0 top
U$125  FIDUCIAL_1MM  [FIDUCIAL_1MM]  174.11,221.11 0 bottom
U$126  FIDUCIAL_1MM  [FIDUCIAL_1MM]  151.54,207.83 0 bottom
U$127  SOCKET  [KAILH_SOCKET]  233.96,130.1 180 bottom
U$128  SOCKET  [KAILH_SOCKET]  214.91,130.1 180 bottom
U$129  SOCKET  [KAILH_SOCKET]  195.86,130.1 180 bottom
U$130  SOCKET  [KAILH_SOCKET]  195.86,149.15 180 bottom
U$131  SOCKET  [KAILH_SOCKET]  214.91,149.15 180 bottom
U$132  SOCKET  [KAILH_SOCKET]  233.96,149.15 180 bottom
U$133  FIDUCIAL_1MM  [FIDUCIAL_1MM]  236,221.54 0 top
U$134  FIDUCIAL_1MM  [FIDUCIAL_1MM]  188.38,122.4 0 top
U$135  SOCKET  [KAILH_SOCKET]  195.86,187.25 180 bottom
U$136  SOCKET  [KAILH_SOCKET]  214.91,187.25 180 bottom
U$137  SOCKET  [KAILH_SOCKET]  233.96,187.25 180 bottom
U$138  SOCKET  [KAILH_SOCKET]  195.86,168.2 180 bottom
U$139  SOCKET  [KAILH_SOCKET]  214.91,168.2 180 bottom
U$140  SOCKET  [KAILH_SOCKET]  233.96,168.2 180 bottom
U$141  FIDUCIAL_1MM  [FIDUCIAL_1MM]  241.71,133.02 0 top
U$142  [PCBFEAT-REV-040]  235.11,217.22 0 top
U$143  FIDUCIAL_1MM  [FIDUCIAL_1MM]  235.8,221.11 0 bottom
U$144  FIDUCIAL_1MM  [FIDUCIAL_1MM]  213.23,207.83 0 bottom
X1  TYPE C  [USB_C_CUSB31-CFM2AX-01-X]  29.84,110.36 180 top
X2  ZJY130-2864KSWLG22_CONN  [ZJY130-2864KSWLG22_JUSTCONN]  41.8,109.22 180 top
X3  TYPE C  [USB_C_CUSB31-CFM2AX-01-X]  91.53,110.36 180 top
X4  ZJY130-2864KSWLG22_CONN  [ZJY130-2864KSWLG22_JUSTCONN]  103.49,109.22 180 top
X5  TYPE C  [USB_C_CUSB31-CFM2AX-01-X]  153.23,110.36 180 top
X6  ZJY130-2864KSWLG22_CONN  [ZJY130-2864KSWLG22_JUSTCONN]  165.18,109.22 180 top
X7  TYPE C  [USB_C_CUSB31-CFM2AX-01-X]  214.91,110.36 180 top
X8  ZJY130-2864KSWLG22_CONN  [ZJY130-2864KSWLG22_JUSTCONN]  226.87,109.22 180 top
X9  TYPE C  [USB_C_CUSB31-CFM2AX-01-X]  29.84,219.51 180 top
X10  ZJY130-2864KSWLG22_CONN  [ZJY130-2864KSWLG22_JUSTCONN]  41.8,218.36 180 top
X11  TYPE C  [USB_C_CUSB31-CFM2AX-01-X]  91.53,219.51 180 top
X12  ZJY130-2864KSWLG22_CONN  [ZJY130-2864KSWLG22_JUSTCONN]  103.49,218.36 180 top
X13  TYPE C  [USB_C_CUSB31-CFM2AX-01-X]  153.23,219.51 180 top
X14  ZJY130-2864KSWLG22_CONN  [ZJY130-2864KSWLG22_JUSTCONN]  165.18,218.36 180 top
X15  TYPE C  [USB_C_CUSB31-CFM2AX-01-X]  214.91,219.51 180 top
X16  ZJY130-2864KSWLG22_CONN  [ZJY130-2864KSWLG22_JUSTCONN]  226.87,218.36 180 top
Y1  12MHz/12pF  [CRYSTAL_2.5X2]  27.56,87.5 180 top
Y2  12MHz/12pF  [CRYSTAL_2.5X2]  89.25,87.5 180 top
Y3  12MHz/12pF  [CRYSTAL_2.5X2]  150.94,87.5 180 top
Y4  12MHz/12pF  [CRYSTAL_2.5X2]  212.63,87.5 180 top
Y5  12MHz/12pF  [CRYSTAL_2.5X2]  27.56,196.64 180 top
Y6  12MHz/12pF  [CRYSTAL_2.5X2]  89.25,196.64 180 top
Y7  12MHz/12pF  [CRYSTAL_2.5X2]  150.94,196.64 180 top
Y8  12MHz/12pF  [CRYSTAL_2.5X2]  212.63,196.64 180 top

## Library data of the parts
C1-C7 C9-C35 C37-C69 C71-C103 C105-C137 C139-C171 C173-C205 C207-C239 C241-C272 D1-D8 FID1000-FID1005 R1-R112 TP5 TP6 TP10 TP11 TP16 TP17 TP22 TP23 TP28 TP29 TP34 TP35 TP40 TP41 TP46 TP47 U1 U3 U5 U6 U8 U9 U11 U12 U14 U15 U17 U18 U20 U21 U23 U24 Y1-Y8 = microbuilder
C8 C36 C70 C104 C138 C172 C206 C240 = microbuilder; COMPANY: ADAFRUIT INDUSTRIES; DRAWN: KTOWN; REV: D
CONN1-CONN8 = adafruit_electromech; LCSC: C2845363
IC1 IC2 IC5 IC7 IC9 IC11 IC13 IC15 = 74xx-little-us; ROT: 270
IC3 IC4 IC6 IC8 IC10 IC12 IC14 IC16 = adafruit_micro; LCSC: C2040
L L1-L7 = microbuilder; ROT: 270
LED1-LED96 = microbuilder; ROT: 180
SP1-SP8 = microbuilder; ROT: 0
SW1 SW2 SW5 SW7 SW9 SW11 SW13 SW15 = adafruit_electromech; LCSC: C778159
SW3 SW4 SW6 SW8 SW10 SW12 SW14 SW16 = Keypad Lib
TP1-TP4 TP7-TP9 TP12-TP15 TP18-TP21 TP24-TP27 TP30-TP33 TP36-TP39 TP42-TP45 TP48 = adafruit_electromech; FORCETHM: 1
U2 U4 U7 U10 U13 U16 U19 U22 = adafruit_power; JLC_ROTATION: 0
U$1-U$14 U$17-U$22 U$27-U$32 U$37-U$46 U$51-U$56 U$59-U$64 U$69-U$74 U$77 U$78 U$82 U$84-U$86 U$91-U$96 U$99-U$104 U$109-U$114 U$117-U$122 U$127-U$132 U$135-U$140 = adafruit_electromech; ROT: 180; XOFFSET: -0.75; YOFFSET: 3.75
U$15 U$16 U$23 U$25 U$26 U$33-U$36 U$47 U$49 U$50 U$57 U$58 U$65 U$67 U$68 U$75 U$76 U$79 U$80 U$83 U$87 U$89 U$90 U$97 U$98 U$105 U$107 U$108 U$115 U$116 U$123 U$125 U$126 U$133 U$134 U$141 U$143 U$144 = microbuilder; BOM: EXCLUDE
U$24 U$48 U$66 U$81 U$88 U$106 U$124 U$142 = microbuilder; REV: D
X1 X3 X5 X7 X9 X11 X13 X15 = adafruit_electromech; LCSC: C165948
X2 X4 X6 X8 X10 X12 X14 X16 = adafruit_display; ROT: 180